# Allegro board GPS_INTERFACE_BOARD_v24_test_SFP_.brd (continued)
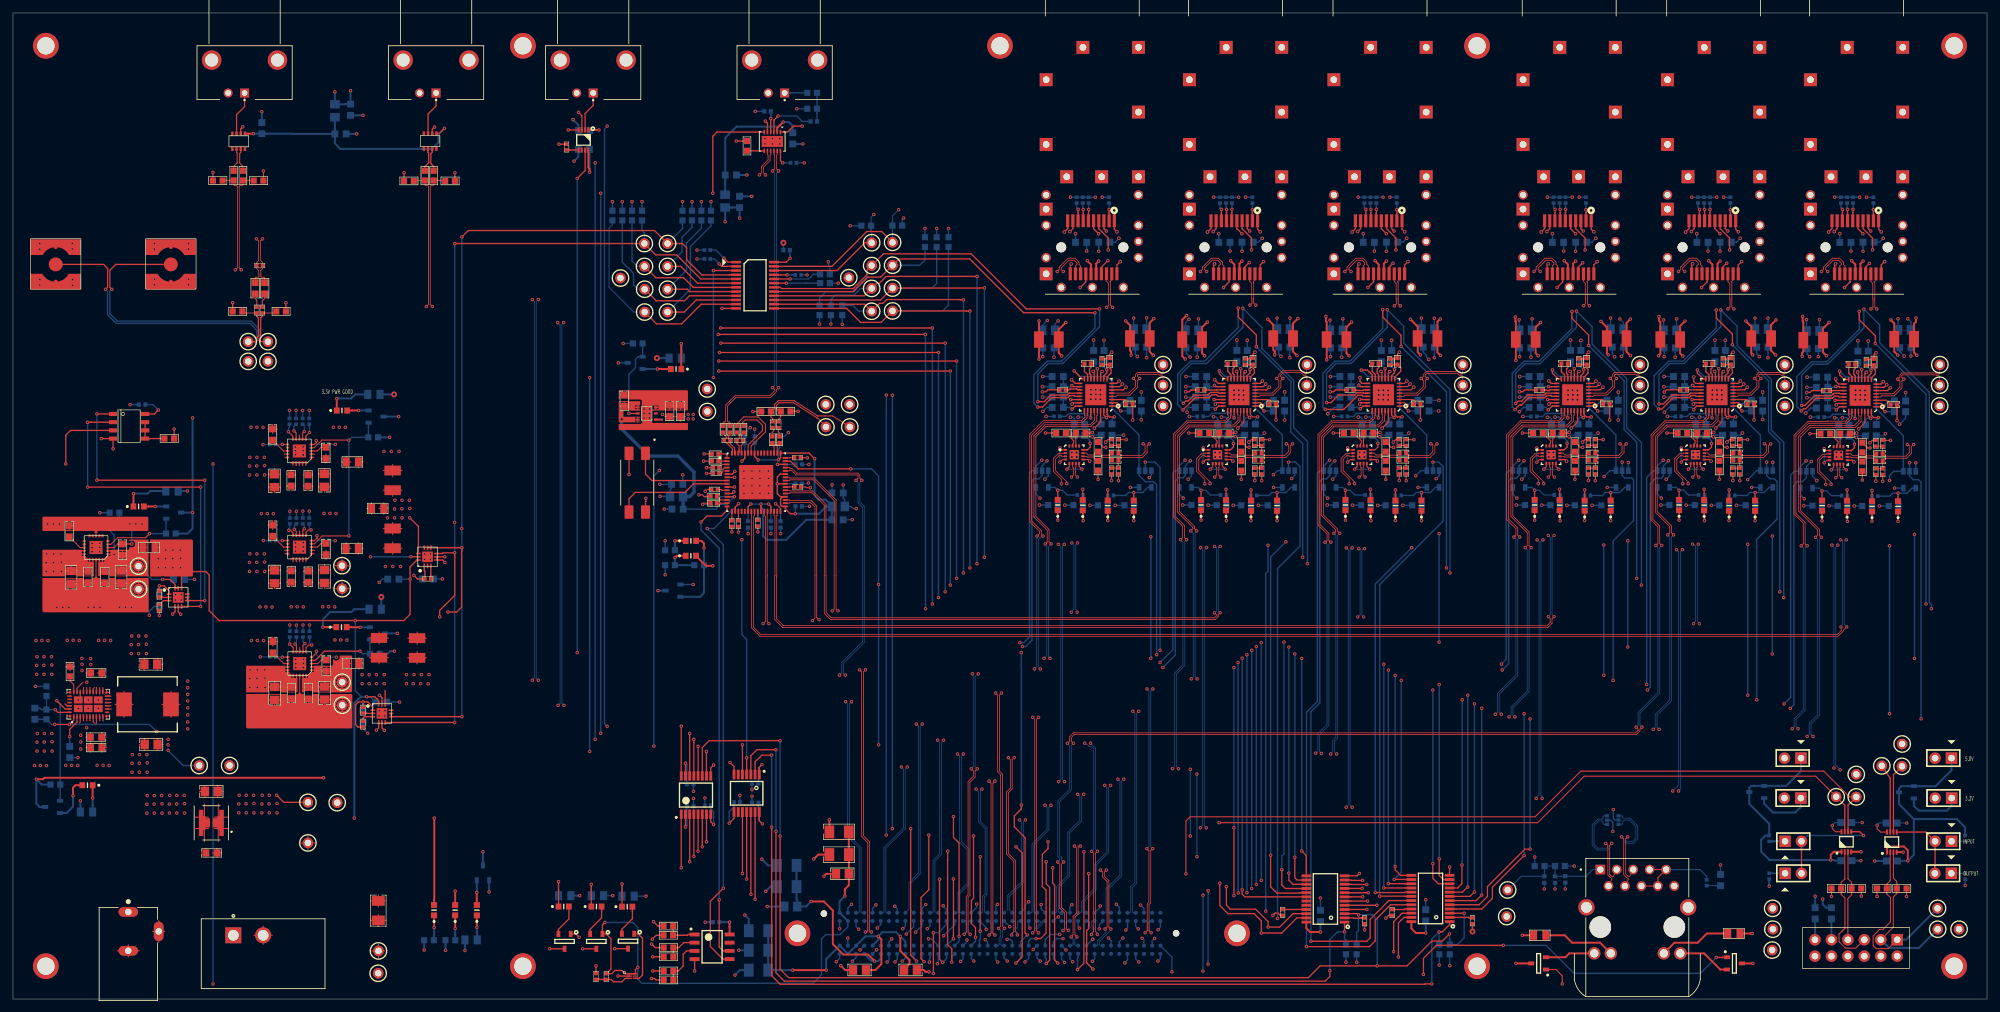
[diagram p0: board, top side]
## Placement (name value [footprint] x y rotation side) (continued)
D10  GREEN  [LEDC1608X80N]  71.63 13.74 90 top
D11  GREEN  [LEDC1608X80N]  65.02 13.74 90 top
D12  GREEN  [LEDC1608X80N]  68.28 13.74 90 top
D14  GREEN  [LEDC1608X80N]  90.09 14.3 0 top
D15  RED  [LEDC1608X80N]  94.84 14.27 0 top
D16  GREEN  [LEDC1608X80N]  283.18 76.23 90 top
D17  RED  [LEDC1608X80N]  279.32 76.25 90 top
D18  GREEN  [LEDC1608X80N]  287.05 76.15 90 top
D19  RED  [LEDC1608X80N]  291.06 76.15 90 top
D20  GREEN  [LEDC1608X80N]  261.11 76.33 90 top
D21  RED  [LEDC1608X80N]  257.25 76.35 90 top
D22  GREEN  [LEDC1608X80N]  264.97 76.25 90 top
D23  RED  [LEDC1608X80N]  268.99 76.25 90 top
D24  GREEN  [LEDC1608X80N]  238.81 76.33 90 top
D25  RED  [LEDC1608X80N]  234.95 76.35 90 top
D26  GREEN  [LEDC1608X80N]  242.67 76.25 90 top
D27  RED  [LEDC1608X80N]  246.68 76.25 90 top
D28  GREEN  [LEDC1608X80N]  209.6 76.33 90 top
D29  RED  [LEDC1608X80N]  205.74 76.35 90 top
D30  GREEN  [LEDC1608X80N]  213.46 76.25 90 top
D31  RED  [LEDC1608X80N]  217.47 76.25 90 top
D32  GREEN  [LEDC1608X80N]  187.3 76.33 90 top
D33  RED  [LEDC1608X80N]  183.44 76.35 90 top
D34  GREEN  [LEDC1608X80N]  191.16 76.25 90 top
D35  RED  [LEDC1608X80N]  195.17 76.25 90 top
D36  GREEN  [LEDC1608X80N]  165.18 76.33 90 top
D37  RED  [LEDC1608X80N]  161.32 76.35 90 top
D38  GREEN  [LEDC1608X80N]  169.04 76.25 90 top
D39  RED  [LEDC1608X80N]  173.05 76.25 90 top
F1  4A  [CAP1206]  56.41 13.67 90 top
FL1  120 Ohm@100MHz  [FIL_DLW5BTM501SQ2L]  30.63 27.23 270 top
IC1  SN74AVC2T45DCTR  [SOP50P310X90-8N]  88.09 132.77 270 top
IC2  SI5395A-A-GM  [QFN50P900X900X90-65N-S530]  114.76 79.88 0 top
IC3  24AA025E48T-I/SN  [SOIC127P600X175-8N]  107.95 8.08 0 top
IC4  SN74AVC2T45DCTR  [SOP50P310X90-8N]  283.08 24.31 90 top
IC5  SN74AVC2T45DCTR  [SOP50P310X90-8N]  290.09 24.26 90 top
IC9  TCA9539PWR  [SOP65P640X110-24N]  202.64 15.47 180 top
IC11  TCA9539PWR  [SOP65P640X110-24N]  218.87 15.54 180 top
J1  BNC/R  [TE_1-1634612-0]  119.15 140.03 90 top
J2  CONSMA001-SMD-G  [SMA_SMT]  6.6 113.54 270 top
J3  CONSMA001-SMD-G  [SMA_SMT]  24.38 113.54 270 top
J4  BNC/R  [TE_1-1634612-0]  89.59 140.03 90 top
J5  BNC/R  [TE_1-1634612-0]  65.33 140.03 90 top
J6  BNC/R  [TE_1-1634612-0]  35.76 140.03 90 top
J7  PJ-102AH  [CUI_PJ-102AH]  17.81 6.96 270 top
J8  ASP-134606-01  [SAMTEC_ASP-134606-01]  152.4 10.16 0 bottom
J9  HDR1x2  [HDR1X2]  276.05 31.06 180 top
J10  HDR1x2  [HDR1X2]  276.07 37.24 180 top
J11  HDR1x2  [HDR1X2]  273.61 19.43 0 top
J12  HDR1x2  [HDR1X2]  273.61 24.38 0 top
J15  HDR1x2  [HDR1X2]  299.29 19.43 180 top
J16  HDR1x2  [HDR1X2]  299.31 24.38 180 top
J17  6-2301994-2  [TE_6-2301994-2]  250.8 11.05 0 top
J18  1367073-1  [TE_2227023-1]  284.66 116.18 270 top
J19  1367073-1  [TE_2227023-1]  262.59 116.18 270 top
J20  1367073-1  [TE_2227023-1]  240.28 116.18 270 top
J21  1367073-1  [TE_2227023-1]  211.07 116.18 270 top
J22  1367073-1  [TE_2227023-1]  188.77 116.18 270 top
J23  1367073-1  [TE_2227023-1]  166.65 116.18 270 top
J24  HDR1x2  [HDR1X2]  299.31 37.24 180 top
J25  HDR1x2  [HDR1X2]  299.34 31.06 180 top
L1  120 Ohm@100MHz  [CAP0805]  109.96 123.32 90 bottom
L2  120 Ohm@100MHz  [CAP0805]  49.71 137.29 270 bottom
L3  120 Ohm@100MHz  [CAP0805]  102.46 77.67 0 bottom
L5  120 Ohm@100MHz  [CAP0805]  127.43 76.12 180 bottom
L6  3.3 uH  [WE-LHMI_8040]  20.78 45.54 0 top
L7  4.7 uH  [CAP1210]  277.95 101.83 0 top
L8  4.7 uH  [CAP1210]  292 101.98 180 top
L9  4.7 uH  [CAP1210]  255.88 101.93 0 top
L10  4.7 uH  [CAP1210]  269.93 102.08 180 top
L11  4.7 uH  [CAP1210]  233.58 101.93 0 top
L12  4.7 uH  [CAP1210]  247.62 102.08 180 top
L13  4.7 uH  [CAP1210]  204.37 101.93 0 top
L14  4.7 uH  [CAP1210]  218.41 102.08 180 top
L15  4.7 uH  [CAP1210]  182.07 101.93 0 top
L16  4.7 uH  [CAP1210]  196.11 102.08 180 top
L17  4.7 uH  [CAP1210]  159.94 101.93 0 top
L18  4.7 uH  [CAP1210]  173.99 102.08 180 top
NOREF  -  [unnamed]  5.08 147.32 0 top
NOREF#2  -  [unnamed]  299.72 5.08 0 top
NOREF#3  -  [unnamed]  189 10.16 0 top
NOREF#4  -  [unnamed]  5.08 5.08 0 top
NOREF#5  -  [unnamed]  78.74 5.08 0 top
NOREF#6  -  [unnamed]  152.4 147.32 0 top
NOREF#7  -  [unnamed]  226.06 5.08 0 top
NOREF#8  -  [unnamed]  121.13 10.16 0 top
NOREF#9  -  [unnamed]  78.74 147.32 0 top
NOREF#10  -  [unnamed]  226.06 147.32 0 top
NOREF#11  -  [unnamed]  299.72 147.32 0 top
P1  RECP6X2  [RECPT6X2_100]  290.93 9.17 270 top
Q1  BSS138K  [SOT95P230X110-3N]  101.9 63.12 180 bottom
Q2  NDS332P  [SOT95P230X110-3N]  269.24 32 180 bottom
Q3  BSS138K  [SOT95P230X110-3N]  6.12 29.69 180 bottom
Q4  BSS138K  [SOT95P230X110-3N]  24.82 75.18 0 bottom
Q5  BSS138K  [SOT95P230X110-3N]  56.06 90.02 0 bottom
Q6  BSS138K  [SOT95P230X110-3N]  56.26 56.52 0 bottom
Q7  BSS138K  [SOT95P230X110-3N]  96.06 98.32 180 bottom
Q8  BSS138K  [SOT95P230X110-3N]  85.17 8.92 270 top
Q9  BSS138K  [SOT95P230X110-3N]  72.57 19.51 90 bottom
Q10  BSS138K  [SOT95P230X110-3N]  235.56 5.51 180 top
Q11  BSS138K  [SOT95P230X110-3N]  90.07 8.92 270 top
Q12  BSS138K  [SOT95P230X110-3N]  94.97 8.94 270 top
Q13  NDS332P  [SOT95P230X110-3N]  292.35 31.95 180 bottom
Q14  BSS138K  [SOT95P230X110-3N]  265.79 5.51 0 top
R1  1k  [RES0402]  120.52 129.24 0 bottom
R2  24.9 Ohm  [RES0603]  123.39 140.06 0 bottom
R3  499 Ohm  [RES0402]  37.64 106.48 270 top
R4  24.9 Ohm  [RES0603]  123.39 137.59 180 bottom
R5  100  [RES0402]  38.1 113.36 0 top
R6  499 Ohm  [RES0402]  38.51 106.48 270 top
R7  49.9 Ohm  [RES0603]  34.67 106.27 180 top
R8  49.9 Ohm  [RES0603]  41.4 106.27 0 top
R9  0 Ohm  [RES0603]  113.33 131.85 90 top
R10  1k  [RES0402]  85.47 131.67 270 top
R11  133  [RES0603]  64.97 127.25 270 top
R12  133  [RES0603]  63.6 127.25 270 top
R13  68  [RES0603]  67.49 126.44 0 top
R14  68  [RES0603]  61.14 126.44 180 top
R15  133  [RES0603]  35.51 127.25 270 top
R16  133  [RES0603]  34.09 127.25 270 top
R17  68  [RES0603]  37.92 126.49 0 top
R18  68  [RES0603]  31.62 126.49 180 top
R19  1k  [RES0402]  121.13 83.67 180 top
R20  1k  [RES0402]  108.56 81.25 0 top
R21  1k  [RES0402]  115.01 73.56 90 top
R22  1k  [RES0402]  108.56 82.12 0 top
R23  1k  [RES0402]  108.33 78.77 0 top
R24  1k  [RES0402]  121.18 79.15 180 top
R25  1k  [RES0402]  111 73.48 90 top
R26  1k  [RES0402]  112.01 73.48 90 top
R27  499 Ohm  [RES0402]  117.32 88.77 90 top
R28  499 Ohm  [RES0402]  118.24 88.77 90 top
R29  49.9 Ohm  [RES0603]  116.28 90.81 180 top
R30  49.9 Ohm  [RES0603]  119.3 90.83 0 top
R31  100  [RES0402]  112.24 86.33 180 top
R32  75 Ohm  [RES0603]  105.94 67.06 180 bottom
R33  75 Ohm  [RES0603]  101.45 67.06 180 bottom
R34  75 Ohm  [RES0603]  101.45 69.37 180 bottom
R35  100  [RES0402]  110.26 86.33 180 top
R36  215K  [RES0603]  5.18 47.57 90 bottom
R37  75 Ohm  [RES0805]  102.26 99.06 180 bottom
R38  4.99K  [RES0603]  96.47 101.32 180 bottom
R39  75 Ohm  [RES0805]  265.71 10.13 180 top
R40  4.99K  [RES0603]  6.55 33.15 180 bottom
R41  1M  [RES0603]  5.18 43.99 90 bottom
R42  17.8k  [RES0603]  8.81 50.62 90 top
R43  75 Ohm  [RES0805]  235.74 9.86 0 top
R44  75 Ohm  [RES0805]  11.35 28.91 180 bottom
R45  0.005  [RES0805]  21.01 69.77 0 top
R46  12.1K  [RES0603]  15.7 73.38 0 bottom
R47  2.32k  [RES0603]  15.67 75.16 180 bottom
R48  0  [RES0402]  22.61 62.59 270 top
R49  0  [RES0402]  22.61 60.53 90 top
R50  4.99K  [RES0603]  24.38 71.93 0 bottom
R51  75 Ohm  [RES0805]  24.56 78.51 0 bottom
R52  0.0055  [RES0805]  52.37 69.65 0 top
R53  0.02  [RES0805]  56.31 75.82 0 top
R54  0.0055  [RES0805]  52.4 83.01 180 top
R55  0  [RES0402]  64.06 64.95 0 top
R56  4.99K  [RES0603]  55.63 86.82 0 bottom
R57  75 Ohm  [RES0805]  55.73 93.45 0 bottom
R58  0.02  [RES0805]  52.45 51.87 0 top
R59  0  [RES0402]  54.05 44.65 270 top
R60  0  [RES0402]  54.05 42.49 90 top
R61  4.99K  [RES0603]  55.88 53.37 0 bottom
R62  75 Ohm  [RES0805]  55.93 60.25 0 bottom
R63  0  [RES0402]  45.75 73.89 90 bottom
R64  0  [RES0402]  42.75 73.89 90 bottom
R65  0  [RES0402]  40.08 70.87 180 bottom
R66  75 Ohm  [RES0805]  85.19 15.98 0 bottom
R67  75 Ohm  [RES0805]  70.74 9.14 180 bottom
R68  300  [RES0603]  64.24 9.09 180 bottom
R69  200  [RES0603]  67.54 9.09 180 bottom
R70  0  [RES0402]  48.34 70.84 0 bottom
R71  0 Ohm  [RES0603]  101.22 4.34 0 top
R72  0 Ohm  [RES0603]  101.22 7.95 0 top
R73  0 Ohm  [RES0603]  101.19 11.28 0 top
R74  75 Ohm  [RES0805]  90.25 15.98 0 bottom
R75  DNP  [RES0603]  101.22 2.95 180 top
R76  DNP  [RES0603]  101.22 6.53 180 top
R77  DNP  [RES0603]  101.19 9.86 180 top
R78  97.6k  [RES0402]  91.62 3.48 270 top
R79  20k  [RES0402]  90.02 3.51 90 top
R80  75 Ohm  [RES0805]  94.97 15.9 0 bottom
R81  1k  [RES0402]  111.79 30.43 0 bottom
R82  1k  [RES0402]  107.29 29.92 180 bottom
R83  4.7K  [RES0603]  107.77 121.08 270 bottom
R84  4.7K  [RES0603]  92.56 121.08 270 bottom
R85  4.7K  [RES0603]  106.3 121.08 270 bottom
R86  4.7K  [RES0603]  94.08 121.08 270 bottom
R87  4.7K  [RES0603]  104.85 121.08 270 bottom
R88  4.7K  [RES0603]  95.58 121.08 270 bottom
R89  4.7K  [RES0603]  103.38 121.08 270 bottom
R90  4.7K  [RES0603]  97.13 121.08 270 bottom
R91  4.7K  [RES0603]  131.75 119.51 0 bottom
R92  4.7K  [RES0603]  136.55 119.53 180 bottom
R93  4.99k  [RES0402]  107.21 115.75 180 bottom
R94  4.99k  [RES0402]  107.21 114.38 180 bottom
R95  4.99k  [RES0402]  121.23 111.91 0 bottom
R96  4.7K  [RES0603]  128.04 106.45 270 bottom
R97  4.7K  [RES0603]  144.45 116.99 90 bottom
R98  4.7K  [RES0603]  126.29 106.45 270 bottom
R99  4.7K  [RES0603]  142.62 116.99 90 bottom
R100  4.7K  [RES0603]  124.54 106.45 270 bottom
R101  4.7K  [RES0603]  140.82 116.99 90 bottom
R102  4.7K  [RES0603]  125.37 112.01 0 bottom
R103  4.7K  [RES0603]  125.37 110.64 0 bottom
R104  49.9 Ohm  [RES0603]  284.63 17.09 0 top
R105  49.9 Ohm  [RES0603]  281.53 17.09 180 top
R106  1k  [RES0402]  271.17 19 270 bottom
R107  1k  [RES0402]  271.17 24.82 90 bottom
R108  49.9 Ohm  [RES0603]  291.62 17.09 0 top
R109  49.9 Ohm  [RES0603]  288.57 17.09 180 top
R110  1k  [RES0402]  301.42 18.97 270 bottom
R111  1k  [RES0402]  301.4 24.82 90 bottom
R112  0  [RES0402]  44.75 73.89 90 bottom
R113  0  [RES0402]  43.76 73.89 90 bottom
R114  0  [RES0402]  48.29 85.72 0 bottom
R115  0  [RES0402]  45.75 89.28 90 bottom
R116  100  [RES0603]  235.71 20.55 180 bottom
R117  200  [RES0603]  238.86 20.55 0 bottom
R118  0  [RES0402]  44.73 89.28 90 bottom
R119  49.9 Ohm  [RES0603]  285.55 85.24 270 top
R120  49.9 Ohm  [RES0603]  285.55 82.32 90 top
R121  6.81k  [RES0402]  288.7 85.9 270 top
R122  6.81k  [RES0402]  288.7 81.51 90 top
R123  3.83K  [RES0402]  287.63 85.9 90 top
R124  4.7k  [RES0402]  287.25 123.47 270 bottom
R125  4.7k  [RES0402]  282.24 123.47 270 bottom
R126  3.83K  [RES0402]  287.63 81.51 270 top
R127  4.7k  [RES0402]  284.1 123.47 270 bottom
R128  4.99K  [RES0603]  282.88 87.38 180 top
R129  4.7k  [RES0402]  283.18 123.47 270 bottom
R130  4.99K  [RES0603]  279.83 87.38 0 top
R131  499 Ohm  [RES0402]  282.8 77.8 180 bottom
R132  75 Ohm  [RES0603]  278.59 76.25 180 bottom
R133  75 Ohm  [RES0603]  282.5 76.23 180 bottom
R134  0  [RES0402]  286.16 98.4 270 top
R135  0  [RES0402]  279.2 89.94 180 bottom
R136  4.7k  [RES0402]  280.04 94.03 180 top
R137  499 Ohm  [RES0402]  287.48 77.72 0 bottom
R138  75 Ohm  [RES0603]  290.37 76.2 180 bottom
R139  75 Ohm  [RES0603]  286.28 76.2 180 bottom
R140  49.9 Ohm  [RES0603]  263.47 85.34 270 top
R141  49.9 Ohm  [RES0603]  263.47 82.42 90 top
R142  6.81k  [RES0402]  266.62 86 270 top
R143  6.81k  [RES0402]  266.62 81.61 90 top
R144  3.83K  [RES0402]  265.56 86 90 top
R145  4.7k  [RES0402]  265.18 123.47 270 bottom
R146  4.7k  [RES0402]  260.17 123.47 270 bottom
R147  3.83K  [RES0402]  265.56 81.61 270 top
R148  4.7k  [RES0402]  262.03 123.47 270 bottom
R149  4.99K  [RES0603]  260.81 87.48 180 top
R150  4.7k  [RES0402]  261.11 123.47 270 bottom
R151  4.99K  [RES0603]  257.76 87.48 0 top
R152  499 Ohm  [RES0402]  260.73 77.9 180 bottom
R153  75 Ohm  [RES0603]  256.51 76.35 180 bottom
R154  75 Ohm  [RES0603]  260.43 76.33 180 bottom
R155  0  [RES0402]  264.08 98.5 270 top
R156  0  [RES0402]  257.12 90.04 180 bottom
R157  4.7k  [RES0402]  257.96 94.16 180 top
R158  499 Ohm  [RES0402]  265.4 77.83 0 bottom
R159  75 Ohm  [RES0603]  268.3 76.3 180 bottom
R160  75 Ohm  [RES0603]  264.21 76.3 180 bottom
R161  49.9 Ohm  [RES0603]  241.17 85.34 270 top
R162  49.9 Ohm  [RES0603]  241.17 82.42 90 top
R163  6.81k  [RES0402]  244.32 86 270 top
R164  6.81k  [RES0402]  244.32 81.61 90 top
R165  3.83K  [RES0402]  243.26 86 90 top
R166  4.7k  [RES0402]  242.87 123.47 270 bottom
R167  4.7k  [RES0402]  237.87 123.47 270 bottom
R168  3.83K  [RES0402]  243.26 81.61 270 top
R169  4.7k  [RES0402]  239.73 123.47 270 bottom
R170  4.99K  [RES0603]  238.51 87.48 180 top
R171  4.7k  [RES0402]  238.81 123.47 270 bottom
R172  4.99K  [RES0603]  235.46 87.48 0 top
R173  499 Ohm  [RES0402]  238.43 77.9 180 bottom
R174  75 Ohm  [RES0603]  234.21 76.35 180 bottom
R175  75 Ohm  [RES0603]  238.12 76.33 180 bottom
R176  0  [RES0402]  241.78 98.5 270 top
R177  0  [RES0402]  234.82 90.04 180 bottom
R178  4.7k  [RES0402]  235.66 94.13 180 top
R179  499 Ohm  [RES0402]  243.1 77.83 0 bottom
R180  75 Ohm  [RES0603]  246 76.3 180 bottom
R181  75 Ohm  [RES0603]  241.91 76.3 180 bottom
R182  49.9 Ohm  [RES0603]  211.96 85.34 270 top
R183  49.9 Ohm  [RES0603]  211.96 82.42 90 top
R184  6.81k  [RES0402]  215.11 86 270 top
R185  6.81k  [RES0402]  215.11 81.61 90 top
R186  3.83K  [RES0402]  214.05 86 90 top
R187  4.7k  [RES0402]  213.66 123.47 270 bottom
R188  4.7k  [RES0402]  208.66 123.47 270 bottom
R189  3.83K  [RES0402]  214.05 81.61 270 top
R190  4.7k  [RES0402]  210.52 123.47 270 bottom
R191  4.99K  [RES0603]  209.3 87.48 180 top
R192  4.7k  [RES0402]  209.6 123.47 270 bottom
R193  4.99K  [RES0603]  206.25 87.48 0 top
R194  499 Ohm  [RES0402]  209.22 77.9 180 bottom
R195  75 Ohm  [RES0603]  205 76.35 180 bottom
R196  75 Ohm  [RES0603]  208.91 76.33 180 bottom
R197  0  [RES0402]  212.57 98.5 270 top
R198  0  [RES0402]  205.61 90.04 180 bottom
R199  4.7k  [RES0402]  206.45 94.13 180 top
R200  499 Ohm  [RES0402]  213.89 77.83 0 bottom
R201  75 Ohm  [RES0603]  216.79 76.3 180 bottom
R202  75 Ohm  [RES0603]  212.7 76.3 180 bottom
R203  49.9 Ohm  [RES0603]  189.66 85.34 270 top
R204  49.9 Ohm  [RES0603]  189.66 82.42 90 top
R205  6.81k  [RES0402]  192.81 86 270 top
R206  6.81k  [RES0402]  192.81 81.61 90 top
R207  3.83K  [RES0402]  191.74 86 90 top
R208  4.7k  [RES0402]  191.36 123.47 270 bottom
R209  4.7k  [RES0402]  186.36 123.47 270 bottom
R210  3.83K  [RES0402]  191.74 81.61 270 top
R211  4.7k  [RES0402]  188.21 123.47 270 bottom
R212  4.99K  [RES0603]  186.99 87.48 180 top
R213  4.7k  [RES0402]  187.3 123.47 270 bottom
R214  4.99K  [RES0603]  183.95 87.48 0 top
R215  499 Ohm  [RES0402]  186.92 77.9 180 bottom
R216  75 Ohm  [RES0603]  182.7 76.35 180 bottom
R217  75 Ohm  [RES0603]  186.61 76.33 180 bottom
R218  0  [RES0402]  190.27 98.5 270 top
R219  0  [RES0402]  183.31 90.04 180 bottom
R220  4.7k  [RES0402]  183.41 94.11 180 top
R221  499 Ohm  [RES0402]  191.59 77.83 0 bottom
R222  75 Ohm  [RES0603]  194.49 76.3 180 bottom
R223  75 Ohm  [RES0603]  190.4 76.3 180 bottom
R224  49.9 Ohm  [RES0603]  167.54 85.34 270 top
R225  49.9 Ohm  [RES0603]  167.54 82.42 90 top
R226  6.81k  [RES0402]  170.69 86 270 top
R227  6.81k  [RES0402]  170.69 81.61 90 top
R228  3.83K  [RES0402]  169.62 86 90 top
R229  4.7k  [RES0402]  169.24 123.47 270 bottom
R230  4.7k  [RES0402]  164.24 123.47 270 bottom
R231  3.83K  [RES0402]  169.62 81.61 270 top
R232  4.7k  [RES0402]  166.09 123.47 270 bottom
R233  4.99K  [RES0603]  164.87 87.48 180 top
R234  4.7k  [RES0402]  165.18 123.47 270 bottom
R235  4.99K  [RES0603]  161.82 87.48 0 top
R236  499 Ohm  [RES0402]  164.8 77.9 180 bottom
R237  75 Ohm  [RES0603]  160.58 76.35 180 bottom
R238  75 Ohm  [RES0603]  164.49 76.33 180 bottom
R239  0  [RES0402]  168.15 98.5 270 top
R240  0  [RES0402]  161.19 90.04 180 bottom
R241  4.7k  [RES0402]  162.08 94.16 180 top
R242  499 Ohm  [RES0402]  169.47 77.83 0 bottom
R243  75 Ohm  [RES0603]  172.36 76.3 180 bottom
R244  75 Ohm  [RES0603]  168.28 76.3 180 bottom
R245  4.7K  [RES0603]  221.84 7.67 270 bottom
R246  4.7K  [RES0603]  207.47 7.67 270 bottom
R247  0  [RES0402]  196.04 13.39 270 top
R248  0  [RES0402]  212.95 13.39 270 top
R249  0  [RES0402]  225.35 12.09 270 top
R250  0  [RES0402]  208.69 12.09 270 top
R251  4.7K  [RES0603]  220.22 7.67 270 bottom
R252  4.7K  [RES0603]  205.82 7.67 270 bottom
R253  0 Ohm  [RES0603]  24.13 86.61 0 top
R254  1k  [RES0402]  261.52 17.98 90 bottom
R255  0  [RES0402]  43.71 89.28 90 bottom
R256  0  [RES0402]  42.7 89.28 90 bottom
R257  0  [RES0402]  40.08 85.7 180 bottom
R258  0  [RES0402]  48.36 52.83 0 bottom
R259  0  [RES0402]  45.8 56.39 90 bottom
R260  0  [RES0402]  44.78 56.39 90 bottom
R261  0  [RES0402]  43.76 56.39 90 bottom
R262  0  [RES0402]  42.75 56.39 90 bottom
R263  0  [RES0402]  40.11 52.88 180 bottom
S1  L101011MS02Q  [SW_L101011MS02Q]  38.63 7.01 0 top
TP1  5002 White  [TP_KEYSTONE_5000A]  36.32 101.6 0 top
TP2  5002 White  [TP_KEYSTONE_5000A]  39.37 101.6 0 top
TP3  5002 White  [TP_KEYSTONE_5000A]  39.37 98.55 0 top
TP4  5002 White  [TP_KEYSTONE_5000A]  36.32 98.55 0 top
TP5  5002 White  [TP_KEYSTONE_5000A]  129.21 88.42 0 top
TP6  5002 White  [TP_KEYSTONE_5000A]  129.18 91.9 0 top
TP7  5002 White  [TP_KEYSTONE_5000A]  125.5 91.9 0 top
TP8  5002 White  [TP_KEYSTONE_5000A]  125.53 88.42 0 top
TP9  5002 White  [TP_KEYSTONE_5000A]  45.54 30.4 0 top
TP10  5002 White  [TP_KEYSTONE_5000A]  45.54 24.13 0 top
TP11  5002 White  [TP_KEYSTONE_5000A]  28.75 36.09 0 top
TP12  5002 White  [TP_KEYSTONE_5000A]  33.45 36.09 0 top
TP13  5002 White  [TP_KEYSTONE_5000A]  50.06 30.35 0 top
TP14  5002 White  [TP_KEYSTONE_5000A]  56.44 7.44 0 top
TP15  5002 White  [TP_KEYSTONE_5000A]  19.38 66.9 0 top
TP16  5002 White  [TP_KEYSTONE_5000A]  19.41 63.35 0 top
TP17  5002 White  [TP_KEYSTONE_5000A]  50.8 66.98 0 top
TP18  5002 White  [TP_KEYSTONE_5000A]  50.83 63.42 0 top
TP19  5002 White  [TP_KEYSTONE_5000A]  50.83 48.97 0 top
TP20  5002 White  [TP_KEYSTONE_5000A]  50.85 45.42 0 top
TP21  5002 White  [TP_KEYSTONE_5000A]  129.06 111.48 0 top
TP23  5002 White  [TP_KEYSTONE_5000A]  93.8 111.43 0 top
TP25  5002 White  [TP_KEYSTONE_5000A]  132.59 116.89 0 top
TP26  5002 White  [TP_KEYSTONE_5000A]  135.81 116.94 0 top
TP27  5002 White  [TP_KEYSTONE_5000A]  230.78 16.87 0 top
TP28  5002 White  [TP_KEYSTONE_5000A]  230.63 12.75 0 top
TP30  5002 White  [TP_KEYSTONE_5000A]  135.81 109.88 0 top
TP31  5002 White  [TP_KEYSTONE_5000A]  132.59 109.83 0 top
TP32  5002 White  [TP_KEYSTONE_5000A]  135.81 106.35 0 top
TP33  5002 White  [TP_KEYSTONE_5000A]  132.59 106.3 0 top
TP34  5002 White  [TP_KEYSTONE_5000A]  132.59 113.36 0 top
TP35  5002 White  [TP_KEYSTONE_5000A]  135.81 113.41 0 top
TP38  5002 White  [TP_KEYSTONE_5000A]  101.07 106.17 0 top
TP39  5002 White  [TP_KEYSTONE_5000A]  97.54 106.17 0 top
TP40  5002 White  [TP_KEYSTONE_5000A]  101.07 109.7 0 top
TP41  5002 White  [TP_KEYSTONE_5000A]  97.54 109.7 0 top
TP42  5002 White  [TP_KEYSTONE_5000A]  101.07 113.23 0 top
TP43  5002 White  [TP_KEYSTONE_5000A]  97.51 113.23 0 top
TP44  5002 White  [TP_KEYSTONE_5000A]  101.07 116.76 0 top
TP45  5002 White  [TP_KEYSTONE_5000A]  97.49 116.76 0 top
TP50  5002 White  [TP_KEYSTONE_5000A]  297.51 98.04 0 top
TP51  5002 White  [TP_KEYSTONE_5000A]  273.58 98.04 0 top
TP52  5002 White  [TP_KEYSTONE_5000A]  251.21 98.04 0 top
TP53  5002 White  [TP_KEYSTONE_5000A]  223.85 98.04 0 top
TP54  5002 White  [TP_KEYSTONE_5000A]  199.8 98.04 0 top
TP55  5002 White  [TP_KEYSTONE_5000A]  177.57 98.04 0 top
TP56  5002 White  [TP_KEYSTONE_5000A]  297.48 94.87 0 top
TP57  5002 White  [TP_KEYSTONE_5000A]  273.58 94.87 0 top
TP58  5002 White  [TP_KEYSTONE_5000A]  251.21 94.87 0 top
TP59  5002 White  [TP_KEYSTONE_5000A]  223.85 94.87 0 top
TP60  5002 White  [TP_KEYSTONE_5000A]  199.77 94.87 0 top
TP61  5002 White  [TP_KEYSTONE_5000A]  177.57 94.87 0 top
TP62  5002 White  [TP_KEYSTONE_5000A]  297.48 91.67 0 top
TP64  5002 White  [TP_KEYSTONE_5000A]  273.58 91.67 0 top
TP66  5002 White  [TP_KEYSTONE_5000A]  251.21 91.67 0 top
TP68  5002 White  [TP_KEYSTONE_5000A]  223.85 91.67 0 top
TP70  5002 White  [TP_KEYSTONE_5000A]  199.8 91.67 0 top
TP72  5002 White  [TP_KEYSTONE_5000A]  177.57 91.67 0 top
TP75  5002 White  [TP_KEYSTONE_5000A]  56.39 3.99 0 top
TP76  5002 White  [TP_KEYSTONE_5000A]  271.73 10.79 0 top
TP77  5002 White  [TP_KEYSTONE_5000A]  271.7 14.02 0 top
TP78  5002 White  [TP_KEYSTONE_5000A]  297.18 10.79 0 top
TP79  5002 White  [TP_KEYSTONE_5000A]  297.15 14.02 0 top
TP80  5002 White  [TP_KEYSTONE_5000A]  291.69 39.42 0 top
TP81  5002 White  [TP_KEYSTONE_5000A]  300.48 10.79 0 top
TP82  5002 White  [TP_KEYSTONE_5000A]  288.54 36.04 0 top
TP83  5002 White  [TP_KEYSTONE_5000A]  291.67 35.97 0 top
TP84  5002 White  [TP_KEYSTONE_5000A]  281.51 31.27 0 top
TP85  5002 White  [TP_KEYSTONE_5000A]  284.61 31.24 0 top
TP86  5002 White  [TP_KEYSTONE_5000A]  271.63 7.57 0 top
TP87  5002 White  [TP_KEYSTONE_5000A]  284.61 34.72 0 top
TP88  5002 White  [TP_KEYSTONE_5000A]  107.21 90.81 0 top
TP89  5002 White  [TP_KEYSTONE_5000A]  107.19 94.28 0 top
U1  LTC6957IDD-2#PBF  [DFN_12]  117.25 132.54 270 top
U2  MAX9371EKA+  [SOT-23-8]  64.41 132.59 270 top
U3  MAX9371EKA+  [SOT-23-8]  34.85 132.56 270 top
U4  TPS74618PQWDRVRQ1  [WSON6]  97.87 90.5 180 top
U5  DRTR5V0U4S-7  [SOT363]  247.01 27.66 0 bottom
U6  LT8645SJV-2  [CONV_T8645SIV]  11.63 45.57 90 top
U7  TPS7A8500RGRT  [QFN20_3P65MMSQ]  12.83 69.77 180 top
U8  LTC2945CUD  [QFN12]  25.53 62.08 0 top
U9  TPS7A8500RGRT  [QFN20_3P65MMSQ]  44.25 69.85 180 top
U10  LTC2945CUD  [QFN12]  64.01 68.35 90 top
U11  TPS7A8500RGRT  [QFN20_3P65MMSQ]  44.22 84.71 180 top
U12  TPS7A8500RGRT  [QFN20_3P65MMSQ]  44.27 51.84 180 top
U13  LTC2945CUD  [QFN12]  56.97 44.15 0 top
U14  50.0MHz  [SOIC254P1016X440-4N]  96.39 79.81 270 top
U16  TPS3895ADRYR  [SON35P100X100X40-6N]  95.66 3.56 0 top
U17  TXB0104QPWRQ1  [SOP65P640X120-14N]  113.28 31.8 270 top
U18  TXB0106IPWRQ1  [SOP65P640X120-16N]  105.46 31.52 90 top
U19  TCA9548APWR  [TSSOP_24]  114.58 110.31 0 top
U22  NB7V52MMNG  [PQFN50P300X300X100-17N-S145]  281.86 84.02 0 top
U23  ADN2814ACPZ  [QFN50P500X500X100-33N-S325]  285.19 93.29 180 top
U24  SN74LVC1G32  [SOT23-5]  276.91 80.26 270 bottom
U25  SN74LVC1G32  [SOT23-5]  292.84 80.26 270 bottom
U26  NB7V52MMNG  [PQFN50P300X300X100-17N-S145]  259.79 84.12 0 top
U27  ADN2814ACPZ  [QFN50P500X500X100-33N-S325]  263.12 93.4 180 top
U28  SN74LVC1G32  [SOT23-5]  254.84 80.37 270 bottom
U29  SN74LVC1G32  [SOT23-5]  270.76 80.37 270 bottom
U30  NB7V52MMNG  [PQFN50P300X300X100-17N-S145]  237.49 84.12 0 top
U31  ADN2814ACPZ  [QFN50P500X500X100-33N-S325]  240.82 93.4 180 top
U32  SN74LVC1G32  [SOT23-5]  232.54 80.37 270 bottom
U33  SN74LVC1G32  [SOT23-5]  248.46 80.37 270 bottom
U34  NB7V52MMNG  [PQFN50P300X300X100-17N-S145]  208.28 84.12 0 top
U35  ADN2814ACPZ  [QFN50P500X500X100-33N-S325]  211.61 93.4 180 top
U36  SN74LVC1G32  [SOT23-5]  203.33 80.37 270 bottom
U37  SN74LVC1G32  [SOT23-5]  219.25 80.37 270 bottom
U38  NB7V52MMNG  [PQFN50P300X300X100-17N-S145]  185.98 84.12 0 top
U39  ADN2814ACPZ  [QFN50P500X500X100-33N-S325]  189.31 93.4 180 top
U40  SN74LVC1G32  [SOT23-5]  181.03 80.37 270 bottom
U41  SN74LVC1G32  [SOT23-5]  196.95 80.37 270 bottom
U42  NB7V52MMNG  [PQFN50P300X300X100-17N-S145]  163.86 84.12 0 top
U43  ADN2814ACPZ  [QFN50P500X500X100-33N-S325]  167.18 93.4 180 top
U44  SN74LVC1G32  [SOT23-5]  158.9 80.37 270 bottom
U45  SN74LVC1G32  [SOT23-5]  174.83 80.37 270 bottom
U46  LM75AIMX/NOPB  [SOIC8]  17.93 88.52 0 top

## Library data of the parts
C1-C45 C49-C65 C69-C80 C83-C86 C97-C117 C119 C123 C127-C129 C270-C272 C274 C275 = CAP_NP: Tolerance: TOL?; User Part Number: PN?
C66 C67 C81 C82 = CAP_NP
C132-C154 = CAP_NP: Tolerance: TOL?; User Part Number: PN?; room: SFP1
C155-C177 = CAP_NP: Tolerance: TOL?; User Part Number: PN?; room: SFP2
C178-C200 = CAP_NP: Tolerance: TOL?; User Part Number: PN?; room: SFP3
C201-C223 = CAP_NP: Tolerance: TOL?; User Part Number: PN?; room: SFP4
C224-C246 = CAP_NP: Tolerance: TOL?; User Part Number: PN?; room: SFP5
C247-C269 = CAP_NP: Tolerance: TOL?; User Part Number: PN?; room: SFP6
D1 D15 = LED
D2 D4-D12 D14 = LED GREEN 0603_0
D16 D18 = LED GREEN 0603_0: room: SFP1
D17 D19 = LED: room: SFP1
D20 D22 = LED GREEN 0603_0: room: SFP2
D21 D23 = LED: room: SFP2
D24 D26 = LED GREEN 0603_0: room: SFP3
D25 D27 = LED: room: SFP3
D28 D30 = LED GREEN 0603_0: room: SFP4
D29 D31 = LED: room: SFP4
D32 D34 = LED GREEN 0603_0: room: SFP5
D33 D35 = LED: room: SFP5
D36 D38 = LED GREEN 0603_0: room: SFP6
D37 D39 = LED: room: SFP6
F1 = FUSE: Tolerance: TOL?; User Part Number: PN?
FL1 = 490-11112-1-ND
IC1 IC4 IC5 = 74AVC2T45_DCT_0
IC2 = SI5395_QFN_1
IC3 = 24AA025E48_SOIC_1
IC9 IC11 = PCA9539_TSSOP_1
J1 J4-J6 = BNC_TE_1-1634612-0
J2 J3 = SMA_PCB_SMT
J7 = PJ-102AH
J8 = CON160P_10
J9-J12 J15 J16 J24 J25 = HDR1x2
J17 = 6-2301994-2
J18 = CON20P_SFP-1367073-1_1: room: SFP1
J19 = CON20P_SFP-1367073-1_1: room: SFP2
J20 = CON20P_SFP-1367073-1_1: room: SFP3
J21 = CON20P_SFP-1367073-1_1: room: SFP4
J22 = CON20P_SFP-1367073-1_1: room: SFP5
J23 = CON20P_SFP-1367073-1_1: room: SFP6
L1-L3 L5 = IND: Tolerance: TOL?; User Part Number: PN?
L6 = IND
L7 L8 = IND: room: SFP1
L9 L10 = IND: room: SFP2
L11 L12 = IND: room: SFP3
L13 L14 = IND: room: SFP4
L15 L16 = IND: room: SFP5
L17 L18 = IND: room: SFP6
P1 = RECPT 6X2 100MIL
Q1 Q3-Q12 Q14 = BSS138
Q2 Q13 = BS250FTA_0
R1-R118 R136 R157 R178 R199 R220 R241 R245-R263 = R: Tolerance: TOL?; User Part Number: PN?
R119-R135 R137-R139 = R: Tolerance: TOL?; User Part Number: PN?; room: SFP1
R140-R156 R158-R160 = R: Tolerance: TOL?; User Part Number: PN?; room: SFP2
R161-R177 R179-R181 = R: Tolerance: TOL?; User Part Number: PN?; room: SFP3
R182-R198 R200-R202 = R: Tolerance: TOL?; User Part Number: PN?; room: SFP4
R203-R219 R221-R223 = R: Tolerance: TOL?; User Part Number: PN?; room: SFP5
R224-R240 R242-R244 = R: Tolerance: TOL?; User Part Number: PN?; room: SFP6
S1 = L101011MS02Q
TP1-TP21 TP23 TP25-TP28 TP30-TP35 TP38-TP45 TP50-TP62 TP64 TP66 TP68 TP70 TP72 TP75-TP89 = TESTPOINT
U1 = LTC6957-2_3
U2 U3 = MAX9371_2
U4 = TPS74618
U5 = DRTR5V0U4S
U6 = LT8645
U7 U9 U11 U12 = TPS7A8500RGRT
U8 U10 U13 = LTC2945CUD
U14 = CX3225SB_0
U16 = TPS3895A
U17 = TXB0104QPWRQ1
U18 = TXB0106IPWRQ1
U19 = TCA9548APWR
U22 = NB7V52M_2: room: SFP1
U23 = ADN2814ACPZ_1: room: SFP1
U24 U25 = SN74LVC1G32_4: room: SFP1
U26 = NB7V52M_2: room: SFP2
U27 = ADN2814ACPZ_1: room: SFP2
U28 U29 = SN74LVC1G32_4: room: SFP2
U30 = NB7V52M_2: room: SFP3
U31 = ADN2814ACPZ_1: room: SFP3
U32 U33 = SN74LVC1G32_4: room: SFP3
U34 = NB7V52M_2: room: SFP4
U35 = ADN2814ACPZ_1: room: SFP4
U36 U37 = SN74LVC1G32_4: room: SFP4
U38 = NB7V52M_2: room: SFP5
U39 = ADN2814ACPZ_1: room: SFP5
U40 U41 = SN74LVC1G32_4: room: SFP5
U42 = NB7V52M_2: room: SFP6
U43 = ADN2814ACPZ_1: room: SFP6
U44 U45 = SN74LVC1G32_4: room: SFP6
U46 = LM75AIMX_0: Tolerance: ***; User Part Number: ***

## Footprints (pads in the part's own frame, mm; a bottom-side part is the same pattern mirrored in y, then rotated)
CAP0402
  rect 0.635x0.686 smd: 1(-0.499,0) 2(0.499,0)
CAP0603
  rect 1.05x1.08 smd: 1(-0.865,0) 2(0.865,0)
CAP0805
  rect 1.3x1.5 smd: 1(-1,0) 2(1,0)
CAP1206
  rect 1.5x2 smd: 1(-1.5,0) 2(1.5,0)
CAP1210
  rect 1.524x2.54 smd: 1(-1.524,0) 2(1.524,0)
CONV_T8645SIV
  rect 0.7x0.25 smd: 1(-1.9,2.25) 2(-1.9,1.75) 3(-1.9,1.25) 4(-1.9,0.75) 5(-1.9,0.25) 6(-1.9,-0.25) 7(-1.9,-0.75) 8(-1.9,-1.25) 9(-1.9,-1.75) 10(-1.9,-2.25) 17(1.9,-2.25) 18(1.9,-1.75) 19(1.9,-1.25) 20(1.9,-0.75) 21(1.9,-0.25) 22(1.9,0.25) 23(1.9,0.75) 24(1.9,1.25) 25(1.9,1.75) 26(1.9,2.25)
  rect 0.25x0.7 smd: 11(-1.25,-2.9) 12(-0.75,-2.9) 13(-0.25,-2.9) 14(0.25,-2.9) 15(0.75,-2.9) 16(1.25,-2.9) 27(1.25,2.9) 28(0.75,2.9) 29(0.25,2.9) 30(-0.25,2.9) 31(-0.75,2.9) 32(-1.25,2.9)
  rect 1.125x1.355 smd: 33(-0.662,1.543) 34(0.662,1.543) 37(-0.662,-1.543) 38(0.662,-1.543)
  rect 1.125x1.33 smd: 35(-0.662,0) 36(0.662,0)
  rect 0.375x0.375 smd: 39(-1.813,2.813) 40(-1.813,-2.813) 41(1.813,-2.813) 42(1.813,2.813)
CUI_PJ-102AH
  oval 1.508x3.016 hole 1: 1(-6.5,0) 2(-0.5,0)
  oval 3.016x1.508 hole 1: 3(-3.5,4.7)
DFN_12
  rect 0.711x0.254 smd: 1(-1.45,1.25) 2(-1.45,0.75) 3(-1.45,0.25) 4(-1.45,-0.25) 5(-1.45,-0.75) 6(-1.45,-1.25) 7(1.45,-1.25) 8(1.45,-0.75) 9(1.45,-0.25) 10(1.45,0.25) 11(1.45,0.75) 12(1.45,1.25)
  rect 1.702x3.302 smd: 13(0,0)
FIL_DLW5BTM501SQ2L
  custom 2.3x1.7 smd: 1(0.875,1.075) 2(-0.875,1.075) 3(-0.875,-1.075) 4(0.875,-1.075)
HDR1X2
  rect 1.778x1.778 hole 1.016: 1(0,0)
  round 1.778 hole 1.016: 2(2.54,0)
LEDC1608X80N
  rect 0.9x0.95 smd: 1(-0.8,0) 2(0.8,0)
PQFN50P300X300X100-17N-S145
  rect 0.5x0.3 smd: 1(-1.35,0.75) 2(-1.35,0.25) 3(-1.35,-0.25) 4(-1.35,-0.75) 9(1.35,-0.75) 10(1.35,-0.25) 11(1.35,0.25) 12(1.35,0.75)
  rect 0.3x0.5 smd: 5(-0.75,-1.35) 6(-0.25,-1.35) 7(0.25,-1.35) 8(0.75,-1.35) 13(0.75,1.35) 14(0.25,1.35) 15(-0.25,1.35) 16(-0.75,1.35)
  rect 1.45x1.45 smd: 17(0,0)
